# KiCad board k410t-devboard.kicad_pcb (continued)
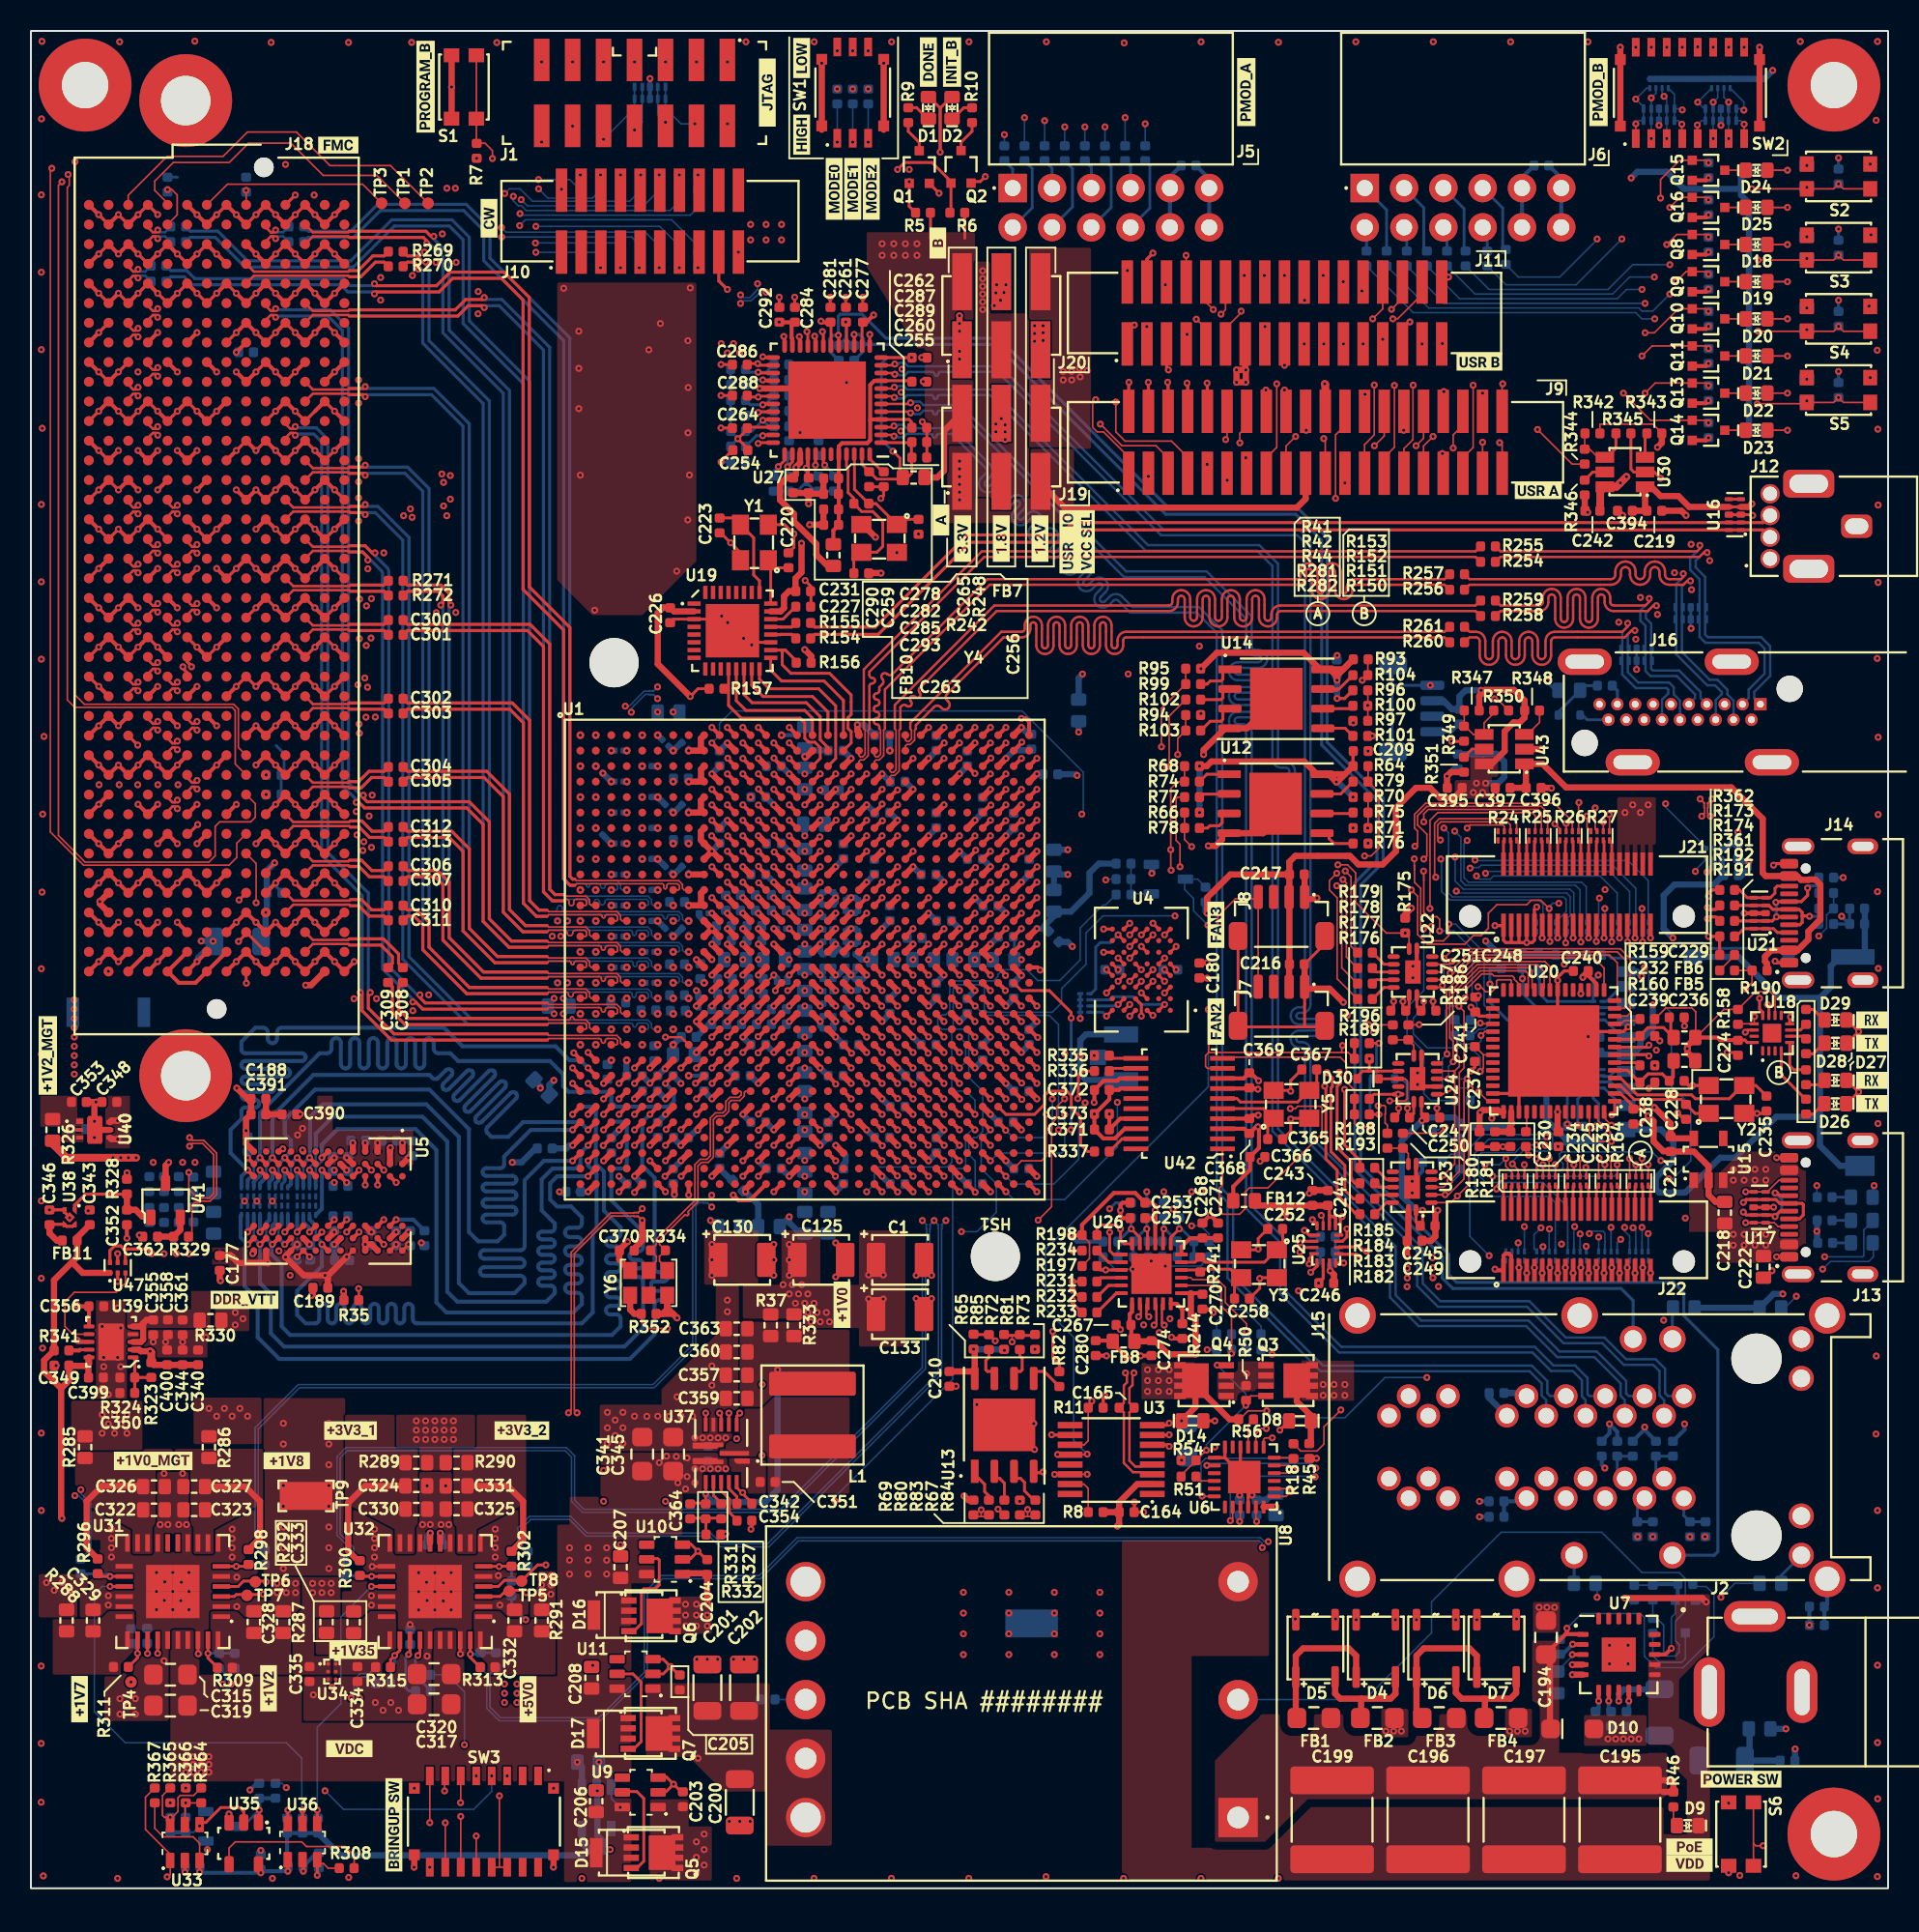
[diagram p0: board, top side]
## Footprints (pads in the part's own frame, mm; a bottom-side part is the same pattern mirrored in y, then rotated) (continued)
  rrect 0.3x0.875 smd: 15(-3.25,-3.937) 16(-2.75,-3.937) 17(-2.25,-3.937) 18(-1.75,-3.937) 19(-1.25,-3.937) 20(-0.75,-3.937) 21(-0.25,-3.937) 22(0.249,-3.937) 23(0.749,-3.937) 24(1.249,-3.937) 25(1.749,-3.937) 26(2.249,-3.937) 27(2.749,-3.937) 28(3.249,-3.937) 43(3.249,3.938) 44(2.749,3.938) 45(2.249,3.938) 46(1.749,3.938) 47(1.249,3.938) 48(0.749,3.938) 49(0.249,3.938) 50(-0.25,3.938) 51(-0.75,3.938) 52(-1.25,3.938) 53(-1.75,3.938) 54(-2.25,3.938) 55(-2.75,3.938) 56(-3.25,3.938)
  rect 5.9x5.9 smd: 57(0,0)
QSOP-16_3.9x4.9mm_P0.635mm
  rect 1.6x0.41 smd: 1(-2.656,2.223) 2(-2.656,1.589) 3(-2.656,0.954) 4(-2.656,0.318) 5(-2.656,-0.315) 6(-2.656,-0.951) 7(-2.656,-1.586) 8(-2.656,-2.221) 9(2.652,-2.221) 10(2.652,-1.586) 11(2.652,-0.951) 12(2.652,-0.315) 13(2.652,0.318) 14(2.652,0.954) 15(2.652,1.589) 16(2.652,2.223)
R_0402_1005Metric
  rrect 0.59x0.64 smd: 1(-0.48,0) 2(0.48,0)
R_0402_1005Metric_EIA
  rrect 0.6x0.6 smd: 1(-0.5,0) 2(0.499,0)
R_0603_1608Metric
  rrect 0.8x1 smd: 1(-0.7,0) 2(0.7,0)
R_1206_3216Metric
  rrect 1.15x1.8 smd: 1(-1.5,-0.001) 2(1.5,-0.001)
R_Array_4x0201_Panasonic_EXB18V
  rrect 0.2x0.4 smd: 1(-0.6,-0.298) 2(-0.202,-0.298) 3(0.2,-0.298) 4(0.598,-0.298) 5(0.598,0.3) 6(0.2,0.3) 7(-0.202,0.3) 8(-0.6,0.3)
Resonator_SMD_Abracon_ABM8G_3.2x2.5mm
  rrect 1.3x1.1 smd: 1(-1.101,-0.949)
  rect 1.3x1.1 smd: 2(1.199,-0.949) 3(1.199,0.85) 4(-1.101,0.85)
SC70-3
  rect 0.6x0.6 smd: 1(-1.051,0.65) 2(-1.051,-0.65) 3(1.05,0)
SOD-523
  rrect 0.5x0.6 smd: 1(-0.701,0) 2(0.699,0)
SOT-23-3
  rrect 1x0.6 smd: 1(-1.1,0.951) 2(-1.1,-0.949) 3(1.1,0.001)
SOT-23-5
  rect 1x0.55 smd: 1(-1.351,0.951) 2(-1.351,0) 3(-1.351,-0.949) 4(1.35,-0.949) 5(1.35,0.951)
SOT-23-6
  rrect 0.55x1 smd: 1(-0.954,-1.1) 2(-0.003,-1.1) 3(0.947,-1.1) 4(0.947,1.214) 5(-0.003,1.214) 6(-0.954,1.214)
SOT-753
  rrect 0.6x1.05 smd: 1(-0.951,-1.35) 2(0,-1.35) 3(0.949,-1.35) 4(0.949,1.351) 5(-0.951,1.351)
SOT-886
  rect 0.27x0.325 smd: 1(-0.493,-0.347) 2(0.005,-0.347) 3(0.505,-0.347) 4(0.505,0.33) 5(0.005,0.33) 6(-0.493,0.33)
SW_DIP_SPSTx03_Slide_Copal_CVS-03xB_W5.9mm_P1mm
  rect 1.2x0.5 smd: 1(-2.899,1) 2(-2.899,0) 3(-2.899,-0.997) 4(2.999,-0.997) 5(2.999,0) 6(2.999,1)
  rect 0.7x0.7 smd: 7(-2.101,2) 7(-2.101,-1.999) 7(2.201,2) 7(2.201,-1.999)
SW_DIP_SPSTx08_Slide_Copal_CVS-08xB_W5.9mm_P1mm
  rect 1.2x0.5 smd: 1(-2.952,3.5) 2(-2.952,2.5) 3(-2.952,1.5) 4(-2.952,0.5) 5(-2.952,-0.498) 6(-2.952,-1.499) 7(-2.952,-2.499) 8(-2.952,-3.499) 9(2.95,-3.499) 10(2.95,-2.499) 11(2.95,-1.499) 12(2.95,-0.498) 13(2.95,0.5) 14(2.95,1.5) 15(2.95,2.5) 16(2.95,3.5)
  rect 0.7x0.7 smd: 17(-2.15,4.5) 17(-2.15,-4.498) 17(2.148,4.5) 17(2.148,-4.498)
SW_KMR211NGLFS_SMD
  rect 0.9x1 smd: 1(-2.048,0.8) 2(2.05,0.8) 3(-2.048,-0.802) 4(2.05,-0.802)
Torex_USP-6C
  rect 0.45x0.35 smd: 1(-0.975,0.553)
  rect 0.45x0.25 smd: 2(-0.975,0) 3(-0.975,-0.497) 4(0.972,-0.497) 5(0.972,0) 6(0.972,0.5)
  rect 1x1.6 smd: 7(0,0)
  rect 0.9x1.8 smd: 7(0,0)
TP_1206_SMD_RCW-0C
  rect 3.4x1.8 smd: 1(0,0)
TP_SMD_0.75mm
  round 0.75 smd: 1(0,0)
TSOT23-6
  rect 1.2x0.7 smd: 1(-1.301,0.947) 2(-1.301,-0.004) 3(-1.301,-0.954) 4(1.299,-0.954) 5(1.299,-0.004) 6(1.299,0.947)
TSSOP-20_W4.4mm
  rect 0.3x1.6 smd: 1(-2.926,-2.797) 2(-2.275,-2.797) 3(-1.625,-2.797) 4(-0.975,-2.797) 5(-0.328,-2.797) 6(0.325,-2.797) 7(0.972,-2.797) 8(1.624,-2.797) 9(2.273,-2.797) 10(2.922,-2.797) 11(2.922,2.801) 12(2.273,2.801) 13(1.624,2.801) 14(0.972,2.801) 15(0.325,2.801) 16(-0.328,2.801) 17(-0.975,2.801) 18(-1.625,2.801) 19(-2.275,2.801) 20(-2.926,2.801)
ULS-12_5-D48N-C
  rect 2.54x2.54 hole 1.4: 1(0,0)
  round 2.54 hole 1.4: 2(0,-7.618) 3(0,-15.239) 5(27.938,-11.429) 6(27.938,-7.618) 7(27.938,-3.809)
  round 2.54 hole 1.956: 4(27.938,-15.239) 8(27.938,0)
UQFN-16-1.8x2.6mm_P0.4mm_Texas_RSV0016A
  rrect 0.7x0.2 smd: 1(-0.75,0.6)
  rrect 0.6x0.2 smd: 2(-0.802,0.202) 3(-0.802,-0.2) 4(-0.802,-0.598) 9(0.8,-0.598) 10(0.8,-0.2) 11(0.8,0.202) 12(0.8,0.6)
  rrect 0.2x0.6 smd: 5(-0.6,-1.199) 6(-0.202,-1.199) 7(0.2,-1.199) 8(0.598,-1.199) 13(0.598,1.2) 14(0.2,1.2) 15(-0.202,1.2) 16(-0.6,1.2)
USB-A_Receptacle_WE_614004184726
  round 1.25 hole 0.92: 1(0,0) 2(1.4,0) 3(2.798,0) 4(4.2,0)
  rrect 1.8x3.3 hole 1.2x2.5: SH(-0.651,-2.499) SH(4.849,-2.499)
  rrect 1.5x2 hole 1x1.5: SH(2.1,-5.599)
USB-C_Receptacle_GCT_USB4105-GF-A
  round 0.65 hole 0.65 unplated: (-2.891,2.426) (2.89,2.426)
  rrect 0.6x1.15 smd: A1(-3.202,3.5) A4(-2.4,3.5) A9(2.398,3.5) A12(3.2,3.5) B1(3.2,3.5) B4(2.398,3.5) B9(-2.4,3.5) B12(-3.202,3.5)
  rrect 0.3x1.15 smd: A5(-1.25,3.5) A6(-0.25,3.5) A7(0.248,3.5) A8(1.249,3.5) B5(1.749,3.5) B6(0.748,3.5) B7(-0.75,3.5) B8(-1.75,3.5)
  oval 1.05x2.1 hole 0.6x1.7: SH(-4.321,2.926) SH(4.32,2.926)
  oval 1x2 hole 0.6x1.4: SH(-4.321,-1.255) SH(4.32,-1.255)
USON-10_2.5x1mm_P0.5mm
  rrect 0.55x0.25 smd: 1(-0.387,1) 2(-0.387,0.5) 4(-0.387,-0.498) 5(-0.387,-0.998) 6(0.385,-0.998) 7(0.385,-0.498) 9(0.385,0.5) 10(0.385,1)
  rrect 0.55x0.4 smd: 3(-0.387,0) 8(0.385,0)
Vishay_PowerPAK_1212-8_Single
  rect 0.99x0.405 smd: 1(-1.436,0.99) 2(-1.436,0.332) 3(-1.436,-0.33) 4(-1.436,-0.988)
  custom 2.235x2.39 smd: 5(0.557,0)
VQFN-20_5x5x1mm_P0.65mm
  rrect 0.75x0.31 smd: 1(-2.327,1.301) 2(-2.327,0.652) 3(-2.327,0) 4(-2.327,-0.65) 5(-2.327,-1.3) 11(2.325,-1.3) 12(2.325,-0.65) 13(2.325,0) 14(2.325,0.652) 15(2.325,1.301)
  rrect 0.31x0.75 smd: 6(-1.301,-2.325) 7(-0.652,-2.325) 8(0,-2.325) 9(0.65,-2.325) 10(1.3,-2.325) 16(1.3,2.327) 17(0.65,2.327) 18(0,2.327) 19(-0.652,2.327) 20(-1.301,2.327)
  rect 2.2x2.2 smd: 21(0,0)
WDFN-8-1EP_6x5mm_P1.27mm_EP3.4x4mm
  rrect 1.37x1.61 smd: (-0.802,1) (-0.802,-0.998) (0.8,1) (0.8,-0.998)
  rect 1.5x0.5 smd: 1(-3,1.905)
  rrect 1.5x0.5 smd: 2(-3,0.635) 3(-3,-0.633) 4(-3,-1.904) 5(2.999,-1.904) 6(2.999,-0.633) 7(2.999,0.635) 8(2.999,1.905)
  rect 3.4x4 smd: 9(0,0)
X1QFN-16-1EP_2.5x2.5mm
  rrect 0.6x0.2 smd: 1(-1.151,0.6) 2(-1.151,0.203) 3(-1.151,-0.2) 4(-1.151,-0.597) 9(1.148,-0.597) 10(1.148,-0.2) 11(1.148,0.203) 12(1.148,0.6)
  rrect 0.2x0.6 smd: 5(-0.6,-1.148) 6(-0.203,-1.148) 7(0.2,-1.148) 8(0.597,-1.148) 13(0.597,1.151) 14(0.2,1.151) 15(-0.203,1.151) 16(-0.6,1.151)
  rrect 1.2x1.2 smd: 17(0,0)
XDFN4
  custom 0.48x0.26 smd: 1(-0.452,0.327)
  custom 0.41x0.26 smd: 2(-0.452,-0.325) 3(0.45,-0.325) 4(0.45,0.327)
  rect 0.48x0.48 smd rot 45: 5(0,0)

## Nets
+0V675_VREF: C184.2 C186.2 C356.2 C374.2 C375.2 U1.AD7 U1.AG8 U5.E1 U5.J8 U39.6
+0V675_VTT: C166.1 C167.2 C168.1 C169.2 C170.1 C171.2 C172.1 C173.2 C174.1 C175.2 R12.5 R12.6 R12.7 R12.8 R13.5 R13.6 R13.7 R13.8 R14.5 R14.6 R14.7 R14.8 R15.5 R15.6 R15.7 R15.8 R16.5 R16.6 R16.7 R16.8 R17.5 R17.6 R17.7 R17.8 R40.2 R43.2 R330.2
+1V0: C1.1 C8.2 C9.2 C22.2 C28.2 C34.2 C45.2 C48.2 C50.2 C52.2 C56.2 C60.2 C65.2 C74.2 C113.2 C114.2 C116.2 C117.2 C121.2 C122.2 C125.1 C126.2 C127.2 C128.2 C129.2 C130.1 C131.2 C132.2 C133.1 C134.2 C135.2 C136.2 C137.2 C138.2 C139.2 C140.2 C141.2 C376.2 C377.2 C378.2 C379.2 C380.2 C381.2 C382.2 C383.2 C384.2 C385.2 C386.2 C387.2 R37.2 R333.2 U1.M11 U1.M13 U1.M15 U1.M17 U1.N10 U1.N12 U1.N14 U1.N16 U1.N18 U1.P11 U1.P17 U1.R10 U1.R12 U1.R16 U1.R18 U1.T11 U1.T17 U1.U10 U1.U12 U1.U16 U1.U18 U1.V17 U1.W16 U1.W18
+1V0_MGTAVCC: C57.2 C66.2 C80.2 C86.2 C97.1 C103.1 C104.1 C111.1 C112.1 C115.1 C119.1 C124.1 NT33.2 R285.2 U1.B7 U1.D7 U1.F7 U1.H7 U1.K7 U1.M7 U1.P7
+1V2: C277.2 C281.2 C284.2 C286.2 C288.2 C290.2 C292.2 FB10.1 J19.6 J20.6 NT38.2 R287.2 U27.14 U27.18 U27.23 U27.26 U27.30 U27.39
+1V2_MGTAVTT: C120.2 C142.2 C143.2 C144.2 C145.2 C146.2 C147.2 C148.2 C149.2 C150.2 C151.2 C152.2 C153.2 C154.2 C155.2 C156.2 C157.2 C158.2 C159.2 C160.2 C161.2 C162.2 C163.2 R1.2 R326.2 U1.B3 U1.C5 U1.D3 U1.E5 U1.F3 U1.G5 U1.H3 U1.J5 U1.K3 U1.L5 U1.M3 U1.N5 U1.P3 U1.R5 U1.T3 U1.U5 U1.V3 U1.W5 U1.W7
+1V8: C46.2 C49.2 C51.2 C53.2 C54.2 C55.2 C58.2 C59.2 C63.2 C64.2 C69.2 C70.2 C72.2 C73.2 C77.2 C78.2 C83.2 C84.2 C89.2 C90.2 C94.2 C95.2 C100.2 C101.2 C107.1 C108.1 C110.2 C118.1 C123.1 C210.2 C246.2 C253.2 C257.2 C370.2 J19.3 J20.3 NT36.2 R65.2 R67.2 R69.2 R72.2 R132.5 R132.6 R132.7 R132.8 R133.5 R133.6 R133.7 R133.8 R140.1 R141.1 R148.1 R149.1 R194.2 R195.2 R197.1 R198.1 R219.2 R220.2 R221.2 R222.2 R223.2 R224.2 R286.2 U1.AA9 U1.AA19 U1.AB16 U1.AC13 U1.AD10 U1.AE17 U1.AF14 U1.AG11 U1.AH18 U1.AJ15 U1.AK12 U1.P13 U1.T7 U1.T13 U1.V7 U1.V11 U1.V13 U1.V15 U1.W10 U1.W12 U1.W14 U1.Y12 U13.8 U25.7 U26.9 Y6.6
+1V35: C62.2 C71.2 C79.2 C85.2 C91.2 C96.2 C102.2 C109.1 C166.2 C168.2 C170.2 C172.2 C174.2 C177.2 C179.2 C181.2 C182.2 C183.2 C185.2 C187.2 C188.2 C189.2 C294.2 C295.2 C335.2 C340.2 C344.2 C389.2 C390.2 C391.2 C392.2 C400.2 NT28.2 R292.2 R323.2 R340.2 U1.AC3 U1.AE7 U1.AF4 U1.AG1 U1.AH8 U1.AJ5 U1.AK2 U5.A2 U5.A9 U5.B9 U5.C1 U5.D7 U5.E2 U5.E9 U5.G2 U5.G8 U5.K1 U5.K9 U5.M1 U5.M9 U34.A1 U34.B1 U39.2 U47.4 U47.6
+1V85_ADC: C388.2 R328.1 U1.P15
+3V3: C2.2 C3.2 C4.2 C5.2 C10.2 C11.2 C12.2 C13.2 C16.2 C17.2 C18.2 C19.2 C23.2 C24.2 C25.2 C29.2 C30.2 C31.2 C35.2 C36.2 C37.2 C40.2 C41.2 C42.2 C61.2 C67.2 C68.2 C75.2 C76.2 C81.2 C82.2 C87.2 C88.2 C92.2 C93.2 C98.2 C99.2 C105.1 C106.1 C164.2 C176.2 C178.2 C180.2 C209.2 C211.2 C214.2 C215.2 C226.2 C231.2 C243.2 C244.2 C249.2 C250.2 C251.2 C254.2 C259.2 C261.2 C264.2 C280.2 C343.2 C349.2 C371.1 C372.1 C373.2 C399.2 C402.2 D1.2 D2.2 D38.2 FB7.1 FB8.2 FB11.1 FB12.2 J1.2 J5.11 J5.12 J6.11 J6.12 J9.22 J10.8 J11.22 J18.C39 J18.D36 J18.D38 J18.D40 J18.Z40 J19.2 J20.2 J23.4 NT31.2 NT32.2 R2.2 R3.1 R4.2 R5.2 R6.2 R7.2 R8.2 R11.2 R36.5 R36.6 R36.7 R36.8 R58.1 R59.1 R64.2 R66.2 R68.2 R70.2 R86.2 R87.2 R88.2 R89.2 R90.2 R91.2 R92.2 R106.2 R107.1 R108.1 R109.1 R110.1 R128.1 R129.1 R130.1 R131.1 R156.2 R157.2 R175.2 R199.2 R200.2 R201.2 R202.2 R203.2 R204.2 R205.2 R206.2 R207.2 R208.2 R239.1 R240.1 R251.2 R252.2 R262.2 R263.2 R264.2 R265.2 R266.2 R267.1 R268.2 R289.2 R290.2 R341.2 U1.A19 U1.AA29 U1.AB6 U1.AB26 U1.AC23 U1.AD20 U1.AD30 U1.AE27 U1.AF24 U1.AG21 U1.AH28 U1.AJ25 U1.AK22 U1.B16 U1.C13 U1.D10 U1.D20 U1.E17 U1.F14 U1.G11 U1.G21 U1.H18 U1.J15 U1.K12 U1.L19 U1.P30 U1.R27 U1.T9 U1.T24 U1.U21 U1.V28 U1.W25 U1.Y22 U3.2 U4.D6 U4.E1 U12.8 U19.2 U19.23 U22.14 U23.14 U24.14 U25.13 U25.14 U27.16 U27.34 U27.40 U39.10 U42.14 U42.18 U47.1 U48.6
+3V3_AON: C321.2 C336.2 C337.2 C338.2 R318.2 R321.2 R322.2 R367.2 U33.3 U35.5 U36.1 U44.5
+5V: C213.2 C216.2 C217.2 C242.2 C395.2 FB9.1 J4.2 J7.2 J8.2 J21.32 J21.34 J21.36 J21.38 J21.40 NT26.2 R111.2 R168.2 R291.2 R342.1 R343.1 R347.1 R348.2 U30.6 U43.6
/DC-DC Converters/1V0_BS: C351.2 U37.1
/DC-DC Converters/1V0_FB: R327.1 U37.11
/DC-DC Converters/1V0_REG: C357.2 C359.2 C360.2 C363.2 C364.2 L1.2 R37.1 R331.2 R333.1 U37.10
/DC-DC Converters/1V0_SS: C354.2 U37.12
/DC-DC Converters/1V0_SW: C351.1 L1.1 U37.2
/DC-DC Converters/1V0_VCC: C342.2 U37.13
/DC-DC Converters/1V2_local: C328.2 R287.1 R309.2 U31.1 U31.32
/DC-DC Converters/1V7: C348.2 R288.2 U40.4 U40.6
/DC-DC Converters/1V7_local: C329.2 R288.1 R311.2 U31.22 U31.23
/DC-DC Converters/1V8_local: C323.2 C327.2 R286.1 R298.2 U31.8 U31.9
/DC-DC Converters/1V35_local: C333.2 C334.2 R292.1 R315.2 U32.22 U32.23 U34.A2 U34.B2
/DC-DC Converters/1V85_OUT: C352.2 R328.2 U38.1 U41.1
/DC-DC Converters/1V85_VIN: C346.2 FB11.2 U38.3 U38.4
/DC-DC Converters/3V3_local: C324.2 C330.2 R289.1 R300.2 U32.14 U32.15
/DC-DC Converters/3V3_local_2: C325.2 C331.2 R290.1 R302.2 U32.8 U32.9
/DC-DC Converters/5V_local: C332.2 R291.1 R313.2 U32.1 U32.32
/DC-DC Converters/+0V675_EN: U39.7 U47.3
/DC-DC Converters/VDDR_PGOOD: R341.1 U39.9
/DC-DC Converters/VDDR_VRI: C350.2 R323.1 R324.2 U39.1
/DC-DC Converters/VDDR_VTT: C355.2 C358.2 C361.2 R330.1 U39.3 U39.5
/Power supply/VBUS_DIS: R45.1 U6.18
/Power supply/VDD: C194.2 C195.2 C196.2 C197.2 C199.2 D10.1 FB1.2 FB3.2 R38.2 R46.2 R55.2 U7.1 U8.1
/Power supply/VSS: C194.1 D10.2 FB2.2 FB4.2 R47.1 R48.1 R49.1 R52.1 R53.1 U7.4 U7.5 U7.21
GND: C1.2 C2.1 C3.1 C4.1 C5.1 C6.1 C7.1 C8.1 C9.1 C10.1 C11.1 C12.1 C13.1 C14.1 C15.1 C16.1 C17.1 C18.1 C19.1 C20.1 C21.1 C22.1 C23.1 C24.1 C25.1 C26.1 C27.1 C28.1 C29.1 C30.1 C31.1 C32.1 C33.1 C34.1 C35.1 C36.1 C37.1 C38.1 C39.1 C40.1 C41.1 C42.1 C43.1 C44.1 C45.1 C46.1 C47.1 C48.1 C49.1 C50.1 C51.1 C52.1 C53.1 C54.1 C55.1 C56.1 C57.1 C58.1 C59.1 C60.1 C61.1 C62.1 C63.1 C64.1 C65.1 C66.1 C67.1 C68.1 C69.1 C70.1 C71.1 C72.1 C73.1 C74.1 C75.1 C76.1 C77.1 C78.1 C79.1 C80.1 C81.1 C82.1 C83.1 C84.1 C85.1 C86.1 C87.1 C88.1 C89.1 C90.1 C91.1 C92.1 C93.1 C94.1 C95.1 C96.1 C97.2 C98.1 C99.1 C100.1 C101.1 C102.1 C103.2 C104.2 C105.2 C106.2 C107.2 C108.2 C109.2 C110.1 C111.2 C112.2 C113.1 C114.1 C115.2 C116.1 C117.1 C118.2 C119.2 C120.1 C121.1 C122.1 C123.2 C124.2 C125.2 C126.1 C127.1 C128.1 C129.1 C130.2 C131.1 C132.1 C133.2 C134.1 C135.1 C136.1 C137.1 C138.1 C139.1 C140.1 C141.1 C142.1 C143.1 C144.1 C145.1 C146.1 C147.1 C148.1 C149.1 C150.1 C151.1 C152.1 C153.1 C154.1 C155.1 C156.1 C157.1 C158.1 C159.1 C160.1 C161.1 C162.1 C163.1 C164.1 C167.1 C169.1 C171.1 C173.1 C175.1 C176.1 C177.1 C178.1 C179.1 C180.1 C181.1 C182.1 C183.1 C184.1 C185.1 C186.1 C187.1 C188.1 C189.1 C190.1 C191.2 C192.2 C193.2 C200.1 C201.1 C202.1 C203.1 C204.1 C205.1 C206.1 C207.1 C208.1 C209.1 C210.1 C211.1 C212.1 C213.1 C214.1 C215.1 C216.1 C217.1 C218.1 C219.1 C220.1 C221.1 C222.1 C223.1 C224.1 C225.1 C226.1 C227.1 C228.1 C229.1 C230.1 C231.1 C232.1 C233.1 C234.1 C235.1 C236.1 C237.1 C238.1 C239.1 C240.1 C241.1 C242.1 C243.1 C244.1 C245.1 C246.1 C247.1 C248.1 C249.1 C250.1 C251.1 C252.1 C253.1 C254.1 C255.1 C256.1 C257.1 C258.1 C259.1 C260.1 C261.1 C262.1 C263.1 C264.1 C265.1 C267.1 C268.2 C269.1 C270.1 C271.2 C272.1 C273.1 C274.1 C275.1 C276.1 C277.1 C278.1 C279.1 C280.1 C281.1 C282.1 C283.1 C284.1 C285.1 C286.1 C287.1 C288.1 C289.1 C290.1 C291.1 C292.1 C293.1 C294.1 C295.1 C296.1 C297.1 C314.2 C315.1 C316.1 C317.1 C318.1 C319.1 C320.1 C321.1 C322.1 C323.1 C324.1 C325.1 C326.1 C327.1 C328.1 C329.1 C330.1 C331.1 C332.1 C333.1 C334.1 C335.1 C336.1 C337.1 C338.1 C339.1 C340.1 C341.1 C342.1 C343.1 C344.1 C345.1 C346.1 C347.1 C348.1 C349.1 C350.1 C352.1 C353.1 C354.1 C355.1 C356.1 C357.1 C358.1 C359.1 C360.1 C361.1 C362.1 C363.1 C365.1 C366.1 C367.1 C368.1 C369.1 C370.1 C371.2 C372.2 C373.1 C374.1 C375.1 C376.1 C377.1 C378.1 C379.1 C380.1 C381.1 C382.1 C383.1 C384.1 C385.1 C386.1 C387.1 C388.1 C389.1 C390.1 C391.1 C392.1 C393.1 C394.1 C395.1 C396.1 C397.1 C398.1 C399.1 C400.1 C401.1 C402.1 D3.2 D8.2 D13.1 D14.2 D26.1 D27.1 D28.1 D29.1 D33.1 D34.2 D35.2 D36.2 D37.2 J1.1 J1.3 J1.5 J1.7 J1.9 J1.11 J1.13 J2.2 J2.3 J3.SH1 J3.SH2 J4.1 J4.MP J5.9 J5.10 J6.9 J6.10 J7.1 J7.MP J8.1 J8.MP J9.2 J9.4 J9.6 J9.8 J9.10 J9.20 J9.34 J10.2 J10.17 J10.19 J11.2 J11.4 J11.20 J11.34 J12.4 J12.SH J13.A1 J13.A12 J13.B1 J13.B12 J13.SH J14.A1 J14.A12 J14.B1 J14.B12 J14.SH J15.10_1 J15.10_2 J16.2 J16.5 J16.8 J16.11 J16.17 J16.SH J18.A01 J18.A04 J18.A05 J18.A08 J18.A09 J18.A12 J18.A13 J18.A16 J18.A17 J18.A20 J18.A21 J18.A24 J18.A25 J18.A28 J18.A29 J18.A32 J18.A33 J18.A36 J18.A37 J18.A40 J18.B02 J18.B03 J18.B06 J18.B07 J18.B10 J18.B11 J18.B14 J18.B15 J18.B18 J18.B19 J18.B22 J18.B23 J18.B26 J18.B27 J18.B30 J18.B31 J18.B34 J18.B35 J18.B38 J18.B39 J18.C01 J18.C04 J18.C05 J18.C08 J18.C09 J18.C12 J18.C13 J18.C16 J18.C17 J18.C20 J18.C21 J18.C24 J18.C25 J18.C28 J18.C29 J18.C32 J18.C33 J18.C36 J18.C38 J18.C40 J18.D02 J18.D03 J18.D06 J18.D07 J18.D10 J18.D13 J18.D16 J18.D19 J18.D22 J18.D25 J18.D28 J18.D37 J18.D39 J18.E01 J18.E04 J18.E05 J18.E08 J18.E11 J18.E14 J18.E17 J18.E20 J18.E23 J18.E26 J18.E29 J18.E32 J18.E35 J18.E38 J18.E40 J18.F02 J18.F03 J18.F06 J18.F09 J18.F12 J18.F15 J18.F18 J18.F21 J18.F24 J18.F27 J18.F30 J18.F33 J18.F36 J18.F39 J18.G01 J18.G04 J18.G05 J18.G08 J18.G11 J18.G14 J18.G17 J18.G20 J18.G23 J18.G26 J18.G29 J18.G32 J18.G35 J18.G38 J18.G40 J18.H03 J18.H06 J18.H09 J18.H12 J18.H15 J18.H18 J18.H21 J18.H24 J18.H27 J18.H30 J18.H33 J18.H36 J18.H39 J18.J01 J18.J04 J18.J05 J18.J08 J18.J11 J18.J14 J18.J17 J18.J20 J18.J23 J18.J26 J18.J29 J18.J32 J18.J35 J18.J38 J18.J40 J18.K02 J18.K03 J18.K06 J18.K09 J18.K12 J18.K15 J18.K18 J18.K21 J18.K24 J18.K27 J18.K30 J18.K33 J18.K36 J18.K39 J18.L02 J18.L03 J18.L06 J18.L07 J18.L10 J18.L11 J18.L14 J18.L15 J18.L18 J18.L19 J18.L22 J18.L23 J18.L26 J18.L27 J18.L30 J18.L31 J18.L34 J18.L35 J18.L38 J18.L39 J18.M01 J18.M04 J18.M05 J18.M08 J18.M09 J18.M12 J18.M13 J18.M16 J18.M17 J18.M20 J18.M21 J18.M24 J18.M25 J18.M28 J18.M29 J18.M32 J18.M33 J18.M36 J18.M37 J18.M40 J18.Y01 J18.Y04 J18.Y05 J18.Y08 J18.Y09 J18.Y12 J18.Y13 J18.Y16 J18.Y17 J18.Y20 J18.Y21 J18.Y24 J18.Y25 J18.Y28 J18.Y29 J18.Y32 J18.Y33 J18.Y36 J18.Y37 J18.Y40 J18.Z02 J18.Z03 J18.Z06 J18.Z07 J18.Z10 J18.Z11 J18.Z14 J18.Z15 J18.Z18 J18.Z19 J18.Z22 J18.Z23 J18.Z26 J18.Z27 J18.Z30 J18.Z31 J18.Z34 J18.Z35 J18.Z38 J18.Z39 J21.1 J21.3 J21.5 J21.7 J21.9 J22.1 J22.3 J23.6 J23.9 MH2.1 MH3.1 MH4.1 NT2.1 NT24.2 NT25.1 NT27.1 NT29.1 NT30.1 NT34.1 NT35.1 NT37.1 Q1.2 Q2.2 Q8.2 Q9.2 Q10.2 Q11.2 Q12.2 Q13.2 Q14.2 Q15.2 Q16.2 Q17.2 R34.1 R35.1 R71.1 R73.1 R97.1 R160.1 R169.1 R170.1 R192.1 R209.2 R210.2 R211.2 R212.2 R213.2 R214.2 R215.2 R216.2 R217.2 R218.2 R225.2 R226.2 R227.2 R228.2 R229.2 R230.2 R244.1 R246.1 R248.1 R253.1 R284.1 R312.1 R324.1 R325.1 R332.1 R338.1 R339.1 R345.2 R346.1 R350.2 R351.2 R352.1 R353.2 R354.2 R355.2 R356.2 R357.2 R358.2 R359.2 R360.2 R361.2 R362.2 S1.3 S1.4 S2.3 S2.4 S3.3 S3.4 S4.3 S4.4 S5.3 S5.4 S6.1 S6.2 SW1.4 SW1.5 SW1.6 SW1.7 SW2.9 SW2.10 SW2.11 SW2.12 SW2.13 SW2.14 SW2.15 SW2.16 SW2.17 SW3.9 SW3.17 TP9.1 TP10.1 U1.A1 U1.A2 U1.A5 U1.A6 U1.A9 U1.A14 U1.A24 U1.AA1 U1.AA2 U1.AA5 U1.AA6 U1.AA7 U1.AA14 U1.AA24 U1.AB3 U1.AB4 U1.AB11 U1.AB21 U1.AC8 U1.AC18 U1.AC28 U1.AD5 U1.AD15 U1.AD25 U1.AE2 U1.AE12 U1.AE22 U1.AF9 U1.AF19 U1.AF29 U1.AG6 U1.AG16 U1.AG26 U1.AH3 U1.AH13 U1.AH23 U1.AJ10 U1.AJ20 U1.AJ30 U1.AK7 U1.AK17 U1.AK27 U1.B4 U1.B8 U1.B9 U1.B11 U1.B21 U1.C1 U1.C2 U1.C6 U1.C9 U1.C18 U1.C28 U1.D4 U1.D8 U1.D9 U1.D15 U1.D25 U1.E1 U1.E2 U1.E6 U1.E9 U1.E12 U1.E22 U1.F4 U1.F8 U1.F9 U1.F19 U1.F29 U1.G1 U1.G2 U1.G6 U1.G9 U1.G16 U1.G26 U1.H4 U1.H8 U1.H9 U1.H13 U1.H23 U1.J1 U1.J2 U1.J6 U1.J9 U1.J10 U1.J20 U1.J30 U1.K4 U1.K8 U1.K9 U1.K17 U1.K27 U1.L1 U1.L2 U1.L6 U1.L9 U1.L14 U1.L24 U1.M4 U1.M8 U1.M9 U1.M12 U1.M14 U1.M16 U1.M18 U1.M21 U1.N1 U1.N2 U1.N6 U1.N9 U1.N11 U1.N13 U1.N15 U1.N17 U1.N28 U1.P4 U1.P8 U1.P9 U1.P10 U1.P12 U1.P14 U1.P16 U1.P18 U1.P25 U1.R1 U1.R2 U1.R6 U1.R9 U1.R11 U1.R13 U1.R14 U1.R17 U1.R22 U1.T4 U1.T8 U1.T10 U1.T12 U1.T16 U1.T18 U1.T19 U1.T29 U1.U1 U1.U2 U1.U6 U1.U9 U1.U11 U1.U13 U1.U17 U1.U26 U1.V4 U1.V8 U1.V9 U1.V10 U1.V12 U1.V14 U1.V16 U1.V18 U1.V23 U1.W1 U1.W2 U1.W6 U1.W9 U1.W11 U1.W13 U1.W15 U1.W17 U1.W20 U1.W30 U1.Y3 U1.Y4 U1.Y7 U1.Y8 U1.Y9 U1.Y17 U1.Y27 U2.3 U2.8 U3.6 U3.7 U3.8 U3.10 U4.D1 U4.E6 U5.A1 U5.A8 U5.B1 U5.B2 U5.B8 U5.C9 U5.D1 U5.D8 U5.D9 U5.F2 U5.F8 U5.J1 U5.J9 U5.L1 U5.L9 U5.N1 U5.N9 U6.10 U6.12 U6.13 U6.22 U6.25 U8.4 U8.5 U9.2 U9.3 U10.2 U10.3 U11.2 U11.3 U12.4 U12.9 U13.4 U13.9 U14.4 U14.9 U15.2 U16.3 U16.8 U17.3 U17.8 U18.8 U19.3 U19.19 U19.33 U20.10 U20.21 U20.41 U20.45 U20.57 U21.3 U21.8 U22.7 U22.15 U23.7 U23.15 U24.3 U24.7 U24.15 U25.6 U26.25 U27.13 U27.29 U27.49 U28.3 U28.8 U29.3 U29.8 U30.2 U31.2 U31.5 U31.7 U31.10 U31.13 U31.16 U31.17 U31.20 U31.21 U31.27 U31.30 U31.33 U32.2 U32.5 U32.7 U32.10 U32.13 U32.16 U32.17 U32.20 U32.21 U32.27 U32.30 U32.33 U33.2 U34.C1 U35.3 U36.2 U37.6 U37.8 U37.14 U38.2 U38.5 U39.4 U39.8 U39.11 U40.5 U40.7 U41.3 U42.4 U42.8 U42.13 U42.17 U43.2 U44.2 U45.3 U45.8 U46.3 U46.8 U47.2 U47.5 U48.2 Y1.2 Y1.4 Y2.2 Y2.4 Y3.2 Y3.4 Y4.2 Y4.4 Y5.2 Y5.4 Y6.3
GNDD: C195.1 C196.1 C197.1 C199.1 D9.1 Q18.2 R167.1 U7.11 U7.12 U8.3
VCC_USR_A: C6.2 C14.2 C20.2 C26.2 C32.2 C38.2 C43.2 J9.19 J19.1 J19.4 J19.5 U1.J25 U1.K22 U1.L29 U1.M26 U1.N23 U1.P20
VCC_USR_B: C7.2 C15.2 C21.2 C27.2 C33.2 C39.2 C44.2 C47.2 C212.2 J11.13 J20.1 J20.4 J20.5 R93.2 R94.2 R95.2 R96.2 U1.A29 U1.B26 U1.C23 U1.D30 U1.E27 U1.F24 U1.H28 U14.8
12P0V: C296.2 C297.2 D32.1 J18.C35 J18.C37 J18.L36 J18.L37 J18.L40
/Clocks/LVDS_XO_200M_ENA: R352.2 U1.AD9 Y6.1
/Clocks/PLL_XI: C365.2 U42.5 Y5.1
/Clocks/PLL_XO: C367.2 U42.6 Y5.3
/Clocks/PLL_Y0: R335.1 U42.11
/Clocks/PLL_Y1: R336.1 U42.12
/Clocks/PLL_Y4: R337.1 U42.19
/Clocks/SYS.CLK_N: R334.1 U1.AD11 Y6.5
/Clocks/SYS.CLK_P: R334.2 U1.AD12 Y6.4
/DC-DC Converters/EN1: R318.1 U36.6 U37.5
/DC-DC Converters/EN2: R321.1 U31.19 U36.5
/DC-DC Converters/EN3: R322.1 U32.19 U36.4
/DC-DC Converters/FB1: R296.1 R297.2 R304.1 U31.18
/DC-DC Converters/FB2: R298.1 R299.2 R305.1 U31.6
/DC-DC Converters/FB3: R309.1 R310.2 R317.1 U31.31
/DC-DC Converters/FB4: R311.1 R312.2 U31.24
/DC-DC Converters/FB5: R295.2 R300.1 R301.2 R306.1 U32.18
/DC-DC Converters/FB6: R295.1 R302.1 R303.2 R307.1 U32.6
/DC-DC Converters/FB7: R313.1 R314.2 R319.1 U32.31
/DC-DC Converters/FB8: R315.1 R316.2 R320.1 U32.24
/DC-DC Converters/MGTAVCC_local: C322.2 C326.2 R285.1 R296.2 U31.14 U31.15
/DC-DC Converters/MGTAVTT_ILIM: R325.2 U40.2
/DC-DC Converters/MGTAVTT_OUT: C353.2 R326.1 U40.1 U40.3
/DC-DC Converters/ON/OFF: R308.2 U35.4
/DC-DC Converters/PB_CTRL.VDDR_EN: U1.Y29 U34.C2
/DC-DC Converters/PB_CTRL.~{PB_CTRL_CLR}: NT39.1 R365.2
/DC-DC Converters/PB_CTRL.~{PB_CTRL_INT}: R293.1 R364.1 R366.2 U33.5
/DC-DC Converters/PB_CTRL_OE: D33.3 R283.2 R284.2 U35.1
/DC-DC Converters/PB_CTRL_OUT: R293.2 R294.2 U33.4 U35.2
/DC-DC Converters/POE_DC: C200.2 C201.2 C202.2 C205.2 D17.2 Q7.5 R283.1 U8.7 U8.8 U11.1
/DC-DC Converters/QDCDC1_VCC: C316.2 U31.25
/DC-DC Converters/QDCDC2_GPIO: R277.1 R280.2 U32.26
/DC-DC Converters/QDCDC2_VCC: C318.2 R277.2 U32.25
/DC-DC Converters/SENSE_1V0_N: NT34.2 R297.1
/DC-DC Converters/SENSE_1V0_P: NT33.1 R304.2
/DC-DC Converters/SENSE_1V2_N: NT37.2 R310.1
/DC-DC Converters/SENSE_1V2_P: NT38.1 R317.2
/DC-DC Converters/SENSE_1V8_N: NT35.2 R299.1
/DC-DC Converters/SENSE_1V8_P: NT36.1 R305.2
/DC-DC Converters/SENSE_1V35_N: NT27.2 R316.1
/DC-DC Converters/SENSE_1V35_P: NT28.1 R320.2
/DC-DC Converters/SENSE_3V3_1_N: NT29.2 R301.1
/DC-DC Converters/SENSE_3V3_1_P: NT31.1 R306.2
/DC-DC Converters/SENSE_3V3_2_N: NT30.2 R303.1
/DC-DC Converters/SENSE_3V3_2_P: NT32.1 R307.2
/DC-DC Converters/SENSE_5V_N: NT25.2 R314.1
/DC-DC Converters/SENSE_5V_P: NT26.1 R319.2
/DC-DC Converters/SEQ_EN: C339.2 R308.1 U36.3
/DC-DC Converters/SW1: R363.2 U32.12
/DC-DC Converters/SW2: R363.1 U32.11
/DC-DC Converters/~{PB_CTRL_IN}: R367.1 S6.3 S6.4 U33.1
/DRAM + SRAM/DDR.A0: R14.3 U1.AE4 U5.K3
/DRAM + SRAM/DDR.A1: R15.3 U1.AG3 U5.L7
/DRAM + SRAM/DDR.A2: R14.1 U1.AG4 U5.L3
/DRAM + SRAM/DDR.A3: R14.2 U1.AF1 U5.K2
/DRAM + SRAM/DDR.A4: R15.4 U1.AE1 U5.L8
/DRAM + SRAM/DDR.A5: R13.4 U1.AF2 U5.L2
/DRAM + SRAM/DDR.A6: R16.2 U1.AF3 U5.M8
/DRAM + SRAM/DDR.A7: R13.2 U1.AC7 U5.M2
/DRAM + SRAM/DDR.A8: R16.4 U1.AE6 U5.N8
/DRAM + SRAM/DDR.A9: R13.3 U1.AD6 U5.M3
/DRAM + SRAM/DDR.A10: R17.3 U1.AC4 U5.H7
/DRAM + SRAM/DDR.A11: R16.1 U1.AC5 U5.M7
/DRAM + SRAM/DDR.A12: R15.1 U1.AC1 U5.K7
/DRAM + SRAM/DDR.A13: R13.1 U1.AC2 U5.N3
/DRAM + SRAM/DDR.A14: R16.3 U1.AD3 U5.N7
/DRAM + SRAM/DDR.A15: R17.4 U1.AD4 U5.J7
/DRAM + SRAM/DDR.BA0: R14.4 U1.AF5 U5.J2
/DRAM + SRAM/DDR.BA1: R15.2 U1.AE5 U5.K8
/DRAM + SRAM/DDR.BA2: R12.1 U1.AE3 U5.J3
/DRAM + SRAM/DDR.CK_N: R32.2 U1.AD1 U5.G7
/DRAM + SRAM/DDR.CK_P: R32.1 U1.AD2 U5.F7
/DRAM + SRAM/DDR.CKE: R17.2 U1.AH2 U5.G9
/DRAM + SRAM/DDR.DM: R40.1 U1.AF8 U5.B7
/DRAM + SRAM/DDR.DQ0: U1.AK5 U5.B3
/DRAM + SRAM/DDR.DQ1: U1.AK8 U5.C7
/DRAM + SRAM/DDR.DQ2: U1.AK6 U5.C2
/DRAM + SRAM/DDR.DQ3: U1.AJ6 U5.C8
/DRAM + SRAM/DDR.DQ4: U1.AG7 U5.E3
/DRAM + SRAM/DDR.DQ5: U1.AJ8 U5.E8
/DRAM + SRAM/DDR.DQ6: U1.AK4 U5.D2
/DRAM + SRAM/DDR.DQ7: U1.AF7 U5.E7
/DRAM + SRAM/DDR.DQS_N: U1.AJ7 U5.D3
/DRAM + SRAM/DDR.DQS_P: U1.AH7 U5.C3
/DRAM + SRAM/DDR.ODT: R12.4 U1.AJ2 U5.G1
/DRAM + SRAM/DDR.~{CAS}: R17.1 U1.AF6 U5.G3
/DRAM + SRAM/DDR.~{CS}: R12.2 U1.AH1 U5.H2
/DRAM + SRAM/DDR.~{RAS}: R43.1 U1.AG5 U5.F3
/DRAM + SRAM/DDR.~{RESET}: R34.2 U1.AH4 U5.N2
/DRAM + SRAM/DDR.~{WE}: R12.3 U1.AG2 U5.H3
/DRAM + SRAM/DDR_ZQ: R35.2 U5.H8
/DRAM + SRAM/SRAM.A0: U1.U28 U4.A3
/DRAM + SRAM/SRAM.A1: U1.V29 U4.A4
/DRAM + SRAM/SRAM.A2: U1.T25 U4.A5
/DRAM + SRAM/SRAM.A3: U1.T26 U4.B3
/DRAM + SRAM/SRAM.A4: U1.V20 U4.B4
/DRAM + SRAM/SRAM.A5: U1.P27 U4.C3
/DRAM + SRAM/SRAM.A6: U1.P28 U4.C4
/DRAM + SRAM/SRAM.A7: U1.V24 U4.D4
/DRAM + SRAM/SRAM.A8: U1.R26 U4.H2
/DRAM + SRAM/SRAM.A9: U1.R30 U4.H3
/DRAM + SRAM/SRAM.A10: U1.U27 U4.H4
/DRAM + SRAM/SRAM.A11: U1.U25 U4.H5
/DRAM + SRAM/SRAM.A12: U1.V19 U4.G3
/DRAM + SRAM/SRAM.A13: U1.T27 U4.G4
/DRAM + SRAM/SRAM.A14: U1.U23 U4.F3
/DRAM + SRAM/SRAM.A15: U1.T30 U4.F4
/DRAM + SRAM/SRAM.A16: U1.W23 U4.E4
/DRAM + SRAM/SRAM.A17: U1.W24 U4.D3
/DRAM + SRAM/SRAM.A18: U1.V25 U4.H1
/DRAM + SRAM/SRAM.A19: U1.W26 U4.H6
/DRAM + SRAM/SRAM.CE2: R36.4 U1.U22 U4.A6
/DRAM + SRAM/SRAM.DQ0: U1.V21 U4.C1
/DRAM + SRAM/SRAM.DQ1: U1.V30 U4.D2
/DRAM + SRAM/SRAM.DQ2: U1.W21 U4.E2
/DRAM + SRAM/SRAM.DQ3: U1.P29 U4.F1
/DRAM + SRAM/SRAM.DQ4: U1.U20 U4.C6
/DRAM + SRAM/SRAM.DQ5: U1.T28 U4.D5
